# KiCad board keyboard_mk1.kicad_pcb (continued)
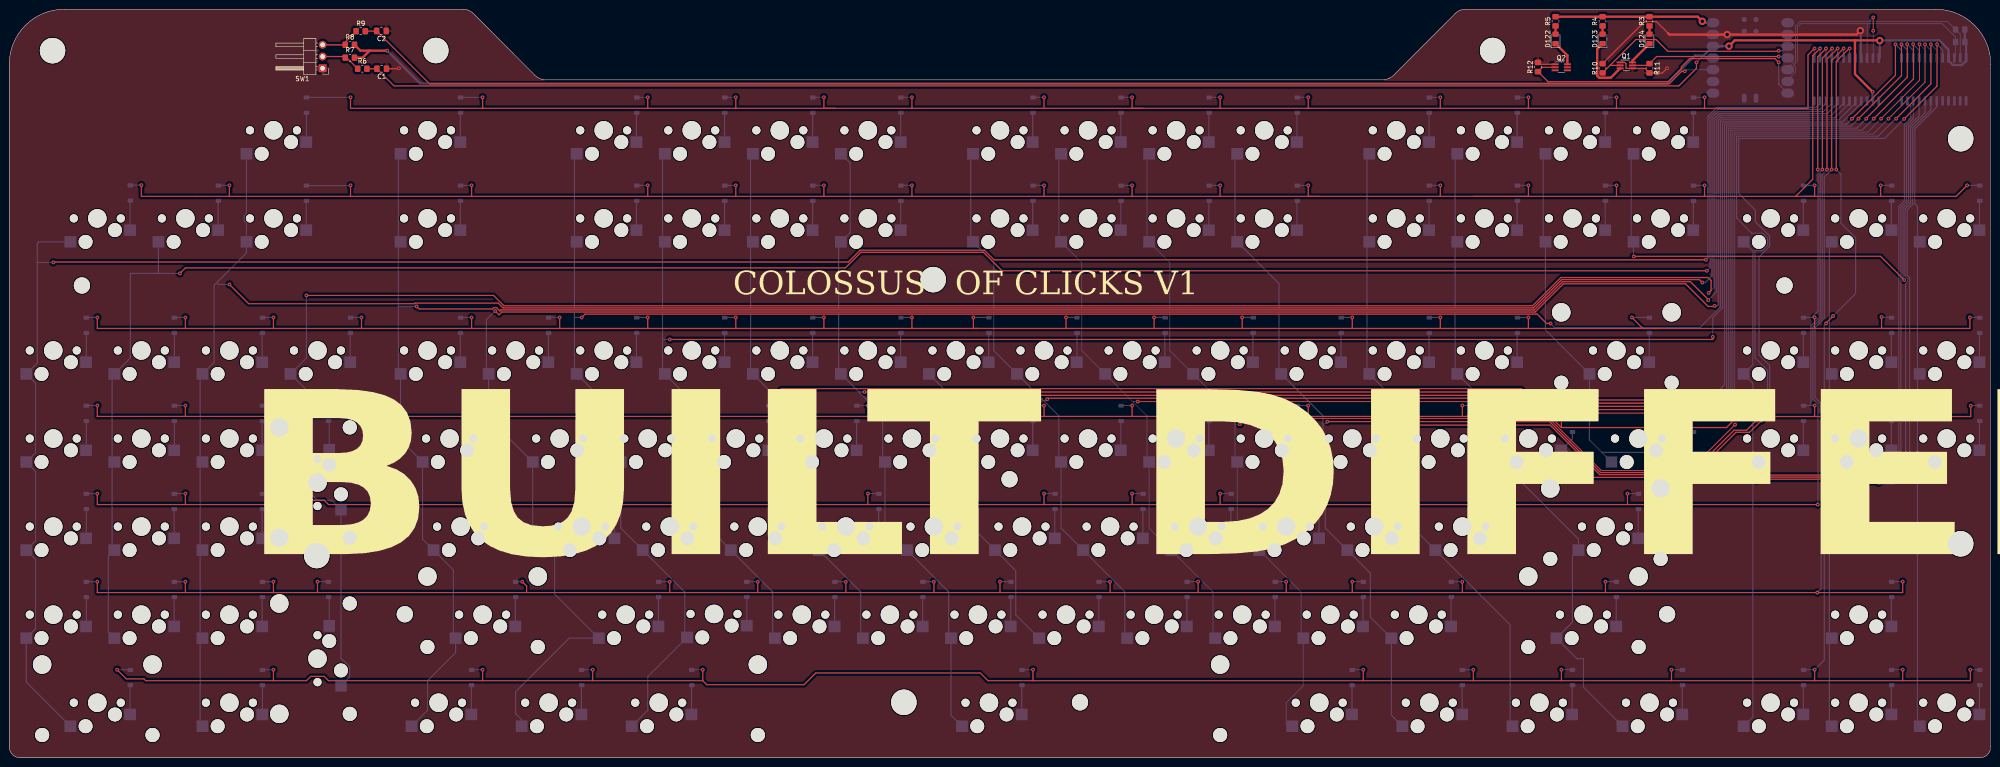
[diagram p0: board, top side]
## Nets
+5V: R3.2 R4.2 R5.2 U1.14
GND: C1.1 C2.1 Q1.1 Q1.4 Q2.1 R10.2 R11.2 R12.2 SW1.C U1.13 U2.2 U2.3 U2.12 U3.3 U3.12 U3.21
VCC: R1.2 R2.2 R7.2 R8.2 U1.12 U2.21 U2.24 U3.2 U3.24
COL<: 125K104.2 K13.2 K34.2 K58.2 K79.2 K100.2 U2.20
COL>: 125K105.2 225K101.2 275K121.2 K14.2 K35.2 K59.2 K80.2 U2.11
COLA: 2K106.2 K1.2 K22.2 K43.2 K64.2 K85.2 U3.11
COLB: K2.2 K23.2 K44.2 K65.2 K86.2 U3.10
COLC: K3.2 K4.2 K24.2 K45.2 K66.2 K87.2 K108.2 U3.9
COLD: 2K46.2 2K88.2 K25.2 U3.8
COLE: 15K68.2 125K82.2 175K89.2 225K110.2 K47.2 K67.2 K107.2 U3.7
COLF: 125K83.2 K48.2 K69.2 K90.2 K111.2 U3.6
COLG: 125K84.2 K5.2 K26.2 K49.2 K70.2 K91.2 K112.2 U3.5
COLH: K6.2 K27.2 K50.2 K71.2 K92.2 K113.2 U3.4
COLJ: K7.2 K28.2 K51.2 K72.2 K93.2 K114.2 U2.13
COLK: 625K109.2 K8.2 K29.2 K52.2 K73.2 K94.2 K115.2 U2.14
COLL: K53.2 K74.2 K95.2 K116.2 U2.15
COLM: K9.2 K30.2 K54.2 K75.2 K96.2 K117.2 U2.16
COLN: K10.2 K31.2 K55.2 K76.2 K97.2 K118.2 U2.17
COLP: 125K102.2 K11.2 K32.2 K56.2 K77.2 K98.2 K119.2 U2.18
COLQ: 125K103.2 K12.2 K33.2 K57.2 K78.2 K99.2 K120.2 U2.19
COLR: 2K60.2 15K81.2 K15.2 K36.2 U2.10
COLS: K16.2 K37.2 U2.9
COLT: K17.2 K20.2 K38.2 K61.2 U2.8
COLX: K18.2 K21.2 K39.2 K41.2 K62.2 U2.7
COLY: K19.2 K40.2 K42.2 K63.2 U2.6
ENC_A: C2.2 R9.2 U1.10
ENC_B: C1.2 R6.2 U1.11
I2C_N: R2.1 U1.6 U2.22 U3.22
I2C_P: R1.1 U1.5 U2.23 U3.23
LED1: Q1.2 R10.1 U1.3
LED2: Q1.5 R11.1 U1.4
LED3: Q2.2 R12.1 U1.7
ROW0: D3.1 D22.1 D29.1 D42.1 D43.1 D54.1 D55.1 D66.1 D77.1 D78.1 D91.1 D92.1 D104.1 D105.1 U3.13
ROW1: D1.1 D2.1 D4.1 D23.1 D30.1 D41.1 D44.1 D53.1 D56.1 D67.1 D76.1 D79.1 D90.1 D93.1 D103.1 D106.1 D112.1 D113.1 D121.1 U3.14
ROW2: D5.1 D13.1 D14.1 D21.1 D24.1 D31.1 D40.1 D45.1 D52.1 D57.1 D65.1 D68.1 D75.1 D80.1 D89.1 D94.1 D102.1 D107.1 D111.1 D114.1 D120.1 U3.15
ROW3: D6.1 D12.1 D15.1 D20.1 D25.1 D32.1 D39.1 D46.1 D51.1 D58.1 D64.1 D69.1 D74.1 D81.1 D88.1 D95.1 D101.1 D108.1 D110.1 D115.1 D119.1 U3.16
ROW4: D7.1 D11.1 D16.1 D26.1 D33.1 D38.1 D47.1 D50.1 D59.1 D63.1 D70.1 D73.1 D82.1 D87.1 D96.1 D99.1 U3.17
ROW5: D8.1 D10.1 D17.1 D19.1 D27.1 D34.1 D37.1 D48.1 D49.1 D60.1 D62.1 D71.1 D72.1 D83.1 D86.1 D98.1 D116.1 U3.18
ROW6: D9.1 D18.1 D28.1 D35.1 D36.1 D61.1 D84.1 D85.1 D97.1 D100.1 D109.1 D117.1 D118.1 U3.19
Net-(D1-A): D1.2 K1.1
Net-(D2-A): D2.2 K2.1
Net-(D3-A): D3.2 K4.1
Net-(D4-A): D4.2 K3.1
Net-(D5-A): D5.2 K22.1
Net-(D6-A): D6.2 K43.1
Net-(D7-A): D7.2 K64.1
Net-(D8-A): D8.2 K85.1
Net-(D9-A): 2K106.1 D9.2
Net-(D10-A): D10.2 K86.1
Net-(D11-A): D11.2 K65.1
Net-(D12-A): D12.2 K44.1
Net-(D13-A): D13.2 K23.1
Net-(D14-A): D14.2 K24.1
Net-(D15-A): D15.2 K45.1
Net-(D16-A): D16.2 K66.1
Net-(D17-A): D17.2 K87.1
Net-(D18-A): D18.2 K108.1
Net-(D19-A): 2K88.1 D19.2
Net-(D20-A): 2K46.1 D20.2
Net-(D21-A): D21.2 K25.1
Net-(D22-A): D22.2 K67.1
Net-(D23-A): D23.2 K107.1
Net-(D24-A): D24.2 K47.1
Net-(D25-A): 15K68.1 D25.2
Net-(D26-A): 175K89.1 D26.2
Net-(D27-A): 225K110.1 D27.2
Net-(D28-A): 125K82.1 D28.2
Net-(D29-A): D29.2 K5.1
Net-(D30-A): D30.2 K26.1
Net-(D31-A): D31.2 K48.1
Net-(D32-A): D32.2 K69.1
Net-(D33-A): D33.2 K90.1
Net-(D34-A): D34.2 K111.1
Net-(D35-A): 125K83.1 D35.2
Net-(D36-A): 125K84.1 D36.2
Net-(D37-A): D37.2 K112.1
Net-(D38-A): D38.2 K91.1
Net-(D39-A): D39.2 K70.1
Net-(D40-A): D40.2 K49.1
Net-(D41-A): D41.2 K27.1
Net-(D42-A): D42.2 K6.1
Net-(D43-A): D43.2 K7.1
Net-(D44-A): D44.2 K28.1
Net-(D45-A): D45.2 K50.1
Net-(D46-A): D46.2 K71.1
Net-(D47-A): D47.2 K92.1
Net-(D48-A): D48.2 K113.1
Net-(D49-A): D49.2 K114.1
Net-(D50-A): D50.2 K93.1
Net-(D51-A): D51.2 K72.1
Net-(D52-A): D52.2 K51.1
Net-(D53-A): D53.2 K29.1
Net-(D54-A): D54.2 K8.1
Net-(D55-A): D55.2 K9.1
Net-(D56-A): D56.2 K30.1
Net-(D57-A): D57.2 K52.1
Net-(D58-A): D58.2 K73.1
Net-(D59-A): D59.2 K94.1
Net-(D60-A): D60.2 K115.1
Net-(D61-A): 625K109.1 D61.2
Net-(D62-A): D62.2 K116.1
Net-(D63-A): D63.2 K95.1
Net-(D64-A): D64.2 K74.1
Net-(D65-A): D65.2 K53.1
Net-(D66-A): D66.2 K10.1
Net-(D67-A): D67.2 K31.1
Net-(D68-A): D68.2 K54.1
Net-(D69-A): D69.2 K75.1
Net-(D70-A): D70.2 K96.1
Net-(D71-A): D71.2 K117.1
Net-(D72-A): D72.2 K118.1
Net-(D73-A): D73.2 K97.1
Net-(D74-A): D74.2 K76.1
Net-(D75-A): D75.2 K55.1
Net-(D76-A): D76.2 K32.1
Net-(D77-A): D77.2 K11.1
Net-(D78-A): D78.2 K12.1
Net-(D79-A): D79.2 K33.1
Net-(D80-A): D80.2 K56.1
Net-(D81-A): D81.2 K77.1
Net-(D82-A): D82.2 K98.1
Net-(D83-A): D83.2 K119.1
Net-(D84-A): 125K102.1 D84.2
Net-(D85-A): 125K103.1 D85.2
Net-(D86-A): D86.2 K120.1
Net-(D87-A): D87.2 K99.1
Net-(D88-A): D88.2 K78.1
Net-(D89-A): D89.2 K57.1
Net-(D90-A): D90.2 K34.1
Net-(D91-A): D91.2 K13.1
Net-(D92-A): D92.2 K14.1
Net-(D93-A): D93.2 K35.1
Net-(D94-A): D94.2 K58.1
Net-(D95-A): D95.2 K79.1
Net-(D96-A): D96.2 K100.1
Net-(D97-A): 125K104.1 D97.2
Net-(D98-A): 275K121.1 D98.2
Net-(D99-A): 225K101.1 D99.2
Net-(D100-A): 125K105.1 D100.2
Net-(D101-A): D101.2 K80.1
Net-(D102-A): D102.2 K59.1
Net-(D103-A): D103.2 K36.1
Net-(D104-A): D104.2 K15.1
Net-(D105-A): D105.2 K16.1
Net-(D106-A): D106.2 K37.1
Net-(D107-A): 2K60.1 D107.2
Net-(D108-A): 15K81.1 D108.2
Net-(D109-A): D109.2 K61.1
Net-(D110-A): D110.2 K20.1
Net-(D111-A): D111.2 K38.1
Net-(D112-A): D112.2 K17.1
Net-(D113-A): D113.2 K18.1
Net-(D114-A): D114.2 K39.1
Net-(D115-A): D115.2 K21.1
Net-(D116-A): D116.2 K41.1
Net-(D117-A): D117.2 K62.1
Net-(D118-A): D118.2 K63.1
Net-(D119-A): D119.2 K42.1
Net-(D120-A): D120.2 K40.1
Net-(D121-A): D121.2 K19.1
Net-(D122-A): D122.2 R5.1
Net-(D122-K): D122.1 Q2.6
Net-(D123-A): D123.2 R4.1
Net-(D123-K): D123.1 Q1.3
Net-(D124-A): D124.2 R3.1
Net-(D124-K): D124.1 Q1.6
Net-(R6-Pad1): R6.1 R7.1 SW1.B
Net-(R8-Pad1): R8.1 R9.1 SW1.A

Pads without a net: Q2 3 4 5; U1 1 2 8 9 15 16 17 18 19 20; U2 1 4 5; U3 1 20

## Via types
v1: diameter 0.8, hole 0.4, Top to Bottom, 206 vias
v2: diameter 1.6, hole 0.8, Top to Bottom, 5 vias

## Routing (per net, layer and track width the routed paths; a pad name or vN(x,y) marks a point on that pad's centre or on a via; arc(x,y) is an arc through that point)
+5V: length 34.6
  Top w0.5: v2(366.24,159.32) 365.24,160.32 R3.2 R4.2 R5.2
  Bottom w0.5: v2(366.24,159.32) 366.54,159.01 U1.14
GND: length 90.7
  Top w0.25: Q1.1 349.46,150.43 349.73,150.16 349.73,149.16 349.76,149.13 Q1.4 353.84,149.13 R11.2 357.62,148.16 v1(358.62,149.16) ; C1.1 84.2,149.05 v1(84.3,149.16) ; 358.8,156.78 356.33,159.24 353.73,159.24 R10.2 ; Q2.1 331.08,150.02 R12.2
  Top w0.5: 358.8,156.78 359.12,156.45 v2(371.61,156.45) 399.59,156.45 v2(400.43,157.28)
  Bottom w0.5: v2(371.61,156.45) 371.59,156.47 U1.13 ; 390.45,142.69 U3.12 ; 401.88,142.65 U3.3 ; 400.61,150.75 U3.21 400.51,151.45 400.51,157.2 v2(400.43,157.28)
VCC: length 389.4
  Top w0.5: R8.2 75.95,152.97 77.95,152.97 ; v1(81.76,152.97) 77.95,152.97 ; 77.95,152.97 76.42,151.44 R7.2 ; v1(403.07,144.08) 399.26,147.89 399.26,155.2 ; v2(404.61,155.15) 404.56,155.2 399.26,155.2 ; 399.26,155.2 373.26,155.2 v2(372.01,153.95)
  Bottom w0.5: v1(403.07,144.08) 403.07,142.13 U3.2 ; v1(81.76,152.97) 88.87,145.85 358.56,145.85 364.67,151.97 366.58,151.97 U1.12 371.99,153.93 v2(372.01,153.95) ; R1.2 R2.2 423.29,154.56 U2.24 423.29,150.8 422.34,149.85 420.43,149.85 419.48,150.8 U2.21 419.48,153.18 417.46,155.2 404.66,155.2 v2(404.61,155.15) 404.61,151.54 U3.24
COL<: length 354.6
  Top w0.25: v1(379.01,72.95) 376.46,70.41 373.51,70.41 364.35,61.25 344.03,61.25 333.33,71.95 v1(300.31,71.95) ; v1(417.01,154.35) 417.01,145.31 v1(409.89,138.2)
  Bottom w0.25: v1(417.01,154.35) 418.21,153.15 U2.20 ; 299.2,69.75 299.2,68.5 K79.2 303.72,49.69 K100.2 324.66,28.75 324.66,7.31 125K104.2 ; 299.2,69.75 299.2,78.02 K58.2 293.71,83.51 293.71,111.11 K34.2 293.71,112.09 293.71,130.16 K13.2 ; 299.2,69.75 299.2,70.84 v1(300.31,71.95) ; v1(409.89,138.2) 405.69,134 374.11,134 374.11,122.05 377.71,118.45 377.71,115.95 380.78,112.87 380.78,110.64 378.51,108.36 378.51,87.15 380.78,84.87 380.78,74.73 v1(379.01,72.95)
COL>: length 308.6
  Top w0.25: v1(327.11,60.65) 365.01,60.65 365.51,61.15 v1(407.31,61.15)
  Bottom w0.25: K14.2 312.76,130.16 312.76,112.09 K35.2 312.76,111.11 312.76,83.51 K59.2 322.28,73.99 322.28,64.46 K80.2 326.05,60.7 ; v1(407.31,61.15) 408.74,62.58 408.74,119.28 409.95,120.49 409.95,136.99 411.32,138.37 411.32,140.94 410.59,141.67 U2.11 ; 125K105.2 340.52,15.27 340.52,21.43 339.12,21.43 275K121.2 338.14,29.34 338.14,43.62 225K101.2 339.44,47.31 326.05,60.7 ; 326.05,60.7 326.1,60.65 v1(327.11,60.65)
COLA: length 541.7
  Top w0.25: v1(367.01,107.75) 366.98,107.72 213,107.72 210.94,109.79 184.03,109.79 181.49,107.25 9.61,107.25 v1(9.52,107.16)
  Bottom w0.25: 6.06,107.16 6.06,111.32 6.34,111.6 K1.2 ; 6.06,107.16 6.06,85.41 K22.2 5.69,81.01 5.69,65.99 K43.2 5.69,61.96 5.69,46.94 K64.2 5.69,42.91 5.69,27.89 K85.2 3.68,16.35 2K106.2 ; 6.06,107.16 v1(9.52,107.16) ; U3.11 391.72,141.62 390.79,140.7 369.36,140.7 367.44,138.78 367.44,108.18 v1(367.01,107.75)
COLB: length 502.3
  Top w0.25: v1(36.91,104.78) 38.11,105.98 180.86,105.98 184.22,109.34 210.75,109.34 214.74,105.35 v1(367.21,105.35)
  Bottom w0.25: K86.2 21.43,27.18 21.43,43.62 K65.2 22.24,45.41 22.24,63.49 K44.2 22.24,64.46 22.24,82.54 K23.2 26.21,86.5 26.21,104.78 ; U3.10 392.99,141.62 391.61,140.25 369.54,140.25 367.89,138.59 367.89,106.03 v1(367.21,105.35) ; 26.21,104.78 v1(36.91,104.78) ; 26.21,104.78 32.15,104.78 ; 32.15,104.78 34.53,104.78 ; 32.15,104.78 32.26,104.89 K2.2
COLC: length 520.9
  Top w0.25: v1(47.62,102.39) 51.79,98.23 87.68,98.23 87.81,98.36 105.78,98.36 106.81,97.33 329.68,97.33 335.79,103.44 365.6,103.44 v1(366.24,102.8)
  Bottom w0.25: U3.9 394.26,141.62 392.43,139.8 369.73,139.8 368.34,138.41 368.34,104.27 366.87,102.8 v1(366.24,102.8) ; v1(47.62,102.39) 45.24,102.39 44.86,102.77 ; K108.2 41.29,7.31 41.29,25.39 K87.2 41.29,26.36 41.29,44.44 K66.2 41.29,45.41 41.29,63.49 K45.2 41.29,64.46 41.29,82.54 K24.2 44.31,85.55 44.31,102.22 44.86,102.77 ; K4.2 51.31,117.69 50.82,117.2 50.82,116.16 51.31,115.68 K3.2 51.31,109.22 44.86,102.77
COLD: length 470.9
  Top w0.25: v1(64.29,100.01) 104.76,100.01 107,97.77 329.5,97.77 335.61,103.89 367.5,103.89 368.13,103.25 368.13,101.07 v1(367.61,100.55)
  Bottom w0.25: v1(64.29,100.01) 64.29,86.49 K25.2 64.31,79.55 64.31,58.07 66.67,55.7 69.74,55.7 2K46.2 71.75,21.54 73.63,19.67 73.63,17.46 2K88.2 ; v1(367.61,100.55) 368.79,101.73 368.79,138.22 369.92,139.35 393.25,139.35 395.53,141.62 U3.8
COLE: length 491.1
  Top w0.25: v1(88.11,97.63) 88.65,97.09 104.52,97.09 104.81,97.38 105.41,97.38 106.13,96.65 106.36,96.88 329.87,96.88 335.98,102.99 363.66,102.99 367.51,99.14 v1(367.51,98.99)
  Bottom w0.25: U3.7 396.8,141.62 394.07,138.9 370.1,138.9 369.24,138.04 369.24,100.72 v1(367.51,98.99) ; 84.16,97.63 84.16,111.11 K107.2 84.16,112.09 84.16,130.16 K67.2 ; 84.16,97.63 v1(88.11,97.63) ; 84.16,97.63 84.16,83.51 K47.2 84.65,68.74 15K68.2 89.41,47.31 175K89.2 96.06,40.65 96.06,26.36 225K110.2 96.55,22.73 90.5,16.68 90.5,10.3 125K82.2
COLF: length 452.5
  Top w0.25: v1(105.11,96.65) 105.94,95.82 106.55,96.42 330.06,96.42 336.17,102.54 362.6,102.54 367.51,97.62 368.78,97.62 v1(368.91,97.75)
  Bottom w0.25: v1(105.11,96.65) 103.21,94.75 103.21,83.51 K48.2 103.7,73.5 K69.2 113.22,49.69 K90.2 117.98,35.4 K111.2 121.13,25.88 109.54,14.29 109.54,9.53 110.84,8.22 125K83.2 ; U3.6 398.07,141.62 394.89,138.45 370.29,138.45 369.69,137.85 369.69,98.03 369.41,97.75 v1(368.91,97.75)
COLG: length 462.2
  Top w0.25: v1(123.82,95.25) 124.55,95.97 330.51,95.97 332.53,93.95 v1(333.41,93.95)
  Bottom w0.25: 122.26,95.25 122.26,111.11 K26.2 122.26,112.09 122.26,130.16 K5.2 ; 122.26,95.25 122.26,83.51 K49.2 127.23,78.54 127.23,69.02 K70.2 132.27,49.69 K91.2 146.13,35.83 146.13,26.52 K112.2 138.11,17.53 138.11,10.29 125K84.2 ; 122.26,95.25 v1(123.82,95.25) ; U3.5 399.34,141.58 395.76,138 370.47,138 370.14,137.66 370.14,97.48 365.71,93.05 334.31,93.05 v1(333.41,93.95)
COLH: length 422.7
  Top w0.25: v1(142.88,90.49) 368.51,90.49 v1(368.51,91.05)
  Bottom w0.25: K113.2 165.12,26.36 165.12,35.89 K92.2 151.32,49.69 K71.2 150.83,64.46 150.83,73.99 K50.2 141.31,83.51 141.31,90.49 ; 141.31,90.49 141.31,111.11 K27.2 141.31,112.09 141.31,130.16 K6.2 ; 141.31,90.49 v1(142.88,90.49) ; U3.4 400.61,141.62 396.53,137.55 370.66,137.55 370.59,137.48 370.59,97.29 368.51,95.21 v1(368.51,91.05)
COLJ: length 432.2
  Top w0.25: v1(408.01,154.35) 408.01,147.65 v1(398.61,138.25) ; v1(166.01,78.85) 167.01,79.85 327.11,79.85 329.56,77.4 367.76,77.4 v1(368.11,77.75)
  Bottom w0.25: 165.06,78.81 165.11,78.85 v1(166.01,78.85) ; 165.06,78.81 K51.2 160.36,83.51 160.36,111.11 K28.2 160.36,112.09 160.36,130.16 K7.2 ; 165.06,78.81 169.88,73.99 169.88,64.46 K72.2 170.37,49.69 K93.2 184.17,35.89 184.17,26.36 K114.2 ; v1(398.61,138.25) 397.46,137.1 371.04,137.1 371.04,80.68 v1(368.11,77.75) ; U2.13 409.32,153.03 v1(408.01,154.35)
COLK: length 436.5
  Top w0.25: v1(369.11,76.75) 369.06,76.7 329.62,76.7 327.19,79.13 v1(185.01,79.13) ; v1(400.01,138.25) 409.32,147.56 v1(409.32,154.35)
  Bottom w0.25: 183.89,79.03 183.98,79.13 v1(185.01,79.13) ; 183.89,79.03 188.93,73.99 188.93,64.46 K73.2 189.42,49.69 K94.2 203.22,35.89 203.22,26.36 K115.2 203.71,9.21 625K109.2 ; 183.89,79.03 K52.2 179.41,83.51 179.41,111.11 K29.2 181.91,113.61 181.91,128.64 K8.2 ; v1(409.32,154.35) 410.59,153.07 U2.14 ; v1(400.01,138.25) 398.41,136.65 371.49,136.65 371.49,79.13 v1(369.11,76.75)
COLL: length 350
  Top w0.25: v1(401.71,138.25) 401.71,138.35 410.59,147.23 410.59,154.3 v1(410.53,154.35) ; v1(370.91,76.05) 370.88,76.02 329.66,76.02 327.28,78.4 v1(204.79,78.4)
  Bottom w0.25: v1(204.79,78.4) 203.57,78.4 203.43,78.54 ; v1(370.91,76.05) 371.94,77.08 371.94,136.2 399.66,136.2 v1(401.71,138.25) ; K116.2 217.72,30.92 217.72,40.44 K95.2 208.47,49.69 K74.2 203.43,69.02 203.43,78.54 ; K53.2 203.43,78.54 ; v1(410.53,154.35) 411.86,153.02 U2.15
COLM: length 384.1
  Top w0.25: v1(403.31,138.25) 411.91,146.85 411.91,154.3 v1(411.86,154.35) ; v1(372.01,75.35) 371.98,75.33 329.72,75.33 327.27,77.77 224.73,77.77 v1(224.51,77.55)
  Bottom w0.25: K117.2 241.32,26.36 241.32,35.89 K96.2 227.52,49.69 K75.2 227.03,64.46 227.03,73.99 223.89,77.13 ; U2.16 413.13,153.07 v1(411.86,154.35) ; K9.2 207.98,130.16 207.98,112.09 K30.2 212.96,107.12 212.96,88.07 K54.2 223.89,77.13 ; 223.89,77.13 224.31,77.55 v1(224.51,77.55) ; v1(372.01,75.35) 372.41,75.75 372.41,135.75 400.81,135.75 v1(403.31,138.25)
COLN: length 366.8
  Top w0.2: v1(372.81,74.55) 329.9,74.55 327.4,77.05 v1(244.11,77.05) ; v1(413.21,154.35) 413.21,146.55 v1(404.91,138.25)
  Bottom w0.2: v1(404.91,138.25) 401.98,135.32 372.83,135.32 372.83,74.58 v1(372.81,74.55) ; v1(413.21,154.35) 414.4,153.16 U2.17 ; v1(244.11,77.05) 243.21,77.05 243.11,76.96 ; 243.11,76.96 K55.2 231.98,88.09 231.98,107.14 K31.2 227.06,112.06 227.06,130.19 K10.2 ; 243.11,76.96 246.11,73.96 246.11,64.44 K76.2 246.57,49.69 K97.2 260.39,35.86 260.39,26.34 K118.2
COLP: length 378.7
  Top w0.2: v1(414.4,154.34) 414.4,146.14 v1(406.51,138.25) ; v1(266.21,72.15) 267.47,73.41 333.11,73.41 344.39,62.13 363.38,62.13 v1(373.31,72.05)
  Bottom w0.2: v1(266.21,72.15) 266.11,72.05 265.16,72.05 ; 265.16,72.05 265.16,73.96 K56.2 251.03,88.09 251.03,107.14 K32.2 246.11,112.06 246.11,130.19 K11.2 ; 265.16,72.05 265.16,64.44 K77.2 265.62,49.69 K98.2 279.44,35.86 279.44,26.34 K119.2 279.91,15.59 276.23,11.91 276.23,7.14 277.21,7.14 125K102.2 ; v1(406.51,138.25) 403.18,134.93 373.23,134.93 373.23,75.11 373.51,74.84 373.51,72.25 v1(373.31,72.05) ; v1(414.4,154.34) 415.67,153.06 U2.18
COLQ: length 370.7
  Top w0.25: v1(415.67,154.35) 415.67,145.78 408.15,138.26 v1(408.15,138.25) ; v1(377.89,72.95) 375.8,70.86 373.1,70.86 363.95,61.7 344.22,61.7 333.2,72.71 v1(285.11,72.71)
  Bottom w0.25: v1(408.15,138.25) 408.04,138.25 404.24,134.45 373.66,134.45 373.66,116.75 376.93,113.48 379.24,113.48 380.33,112.38 380.33,110.82 379.24,109.73 377.62,109.73 377.62,86.52 380.33,83.8 380.33,75.39 v1(377.89,72.95) ; K12.2 265.13,130.16 265.13,112.09 K33.2 274.66,102.56 274.66,83.51 K57.2 284.18,73.99 284.18,72.25 ; 125K103.2 298.96,9.21 K120.2 294.43,30.4 294.43,39.92 K99.2 284.67,49.69 K78.2 284.18,64.46 284.18,72.25 ; v1(285.11,72.71) 284.64,72.25 284.18,72.25 ; v1(415.67,154.35) 416.94,153.07 U2.19
COLR: length 222.5
  Top w0.25: 406.71,60.55 406.01,60.55 405.86,60.7 365.69,60.7 364.92,59.93 v1(361.41,59.93)
  Bottom w0.25: v1(361.41,59.93) 360.17,59.93 354.05,66.05 344.51,66.05 ; 344.51,66.05 341.82,68.74 2K60.2 332.3,92.55 K36.2 331.81,112.09 331.81,130.16 K15.2 ; 344.51,66.05 15K81.2 ; U2.10 411.86,138.27 410.4,136.81 410.4,120.3 409.18,119.09 409.18,62 407.61,60.42 406.83,60.42 406.71,60.55
  vias: v1(406.55,60.43)
COLS: length 123.6
  Top w0.25: v1(351.41,108.45) 351.43,108.47 404.78,108.47 v1(409.91,103.35)
  Bottom w0.25: v1(409.91,103.35) 409.63,103.62 409.63,118.91 410.85,120.12 410.85,136.62 413.13,138.9 U2.9 ; K16.2 350.86,130.16 350.86,112.09 K37.2 351.35,108.51 v1(351.41,108.45)
COLT: length 226.2
  Top w0.25: v1(378.01,59.98) 378.28,60.25 404.97,60.25 v1(405.24,59.98)
  Bottom w0.25: v1(405.24,59.98) 405.52,59.7 407.52,59.7 410.21,62.39 410.21,102.62 410.63,103.05 410.63,103.65 410.08,104.2 410.08,118.72 411.3,119.93 411.3,136.43 414.4,139.54 U2.8 ; 377.17,60.05 377.93,60.05 v1(378.01,59.98) ; 377.17,60.05 377.17,61.96 K20.2 377.17,65.99 377.17,81.01 K38.2 377.17,85.04 377.17,109.59 K17.2 ; 377.17,60.05 377.17,8.84 K61.2
COLX: length 207.3
  Top w0.25: v1(404.36,59.5) 404.34,59.53 v1(394.61,59.53)
  Bottom w0.25: K18.2 393.72,111.11 393.72,83.51 K39.2 393.72,82.54 393.72,64.46 K21.2 393.72,63.49 393.72,59.05 ; U2.7 415.67,140.17 411.75,136.25 411.75,119.74 410.53,118.53 410.53,104.39 411.08,103.84 411.08,62.63 407.7,59.25 404.61,59.25 v1(404.36,59.5) ; 393.72,59.05 393.72,26.36 K41.2 393.72,25.39 393.72,7.31 K62.2 ; 393.72,59.05 394.13,59.05 v1(394.61,59.53)
COLY: length 138.9
  Bottom w0.25: U2.6 416.94,140.8 412.2,136.06 412.2,119.86 412.77,119.29 412.77,112.09 K19.2 412.77,111.11 412.77,83.51 K40.2 412.77,82.54 412.77,64.46 K42.2 412.77,63.49 412.77,7.31 K63.2
ENC_A: length 297.5
  Top w0.25: R9.2 79.42,157.18 C2.2 90.91,145.8 359.07,145.8 361.79,148.52 v1(362.43,148.52)
  Bottom w0.25: U1.10 362.76,148.85 v1(362.43,148.52)
ENC_B: length 296
  Top w0.25: R6.2 C1.2 83.24,145.35 361.16,145.35 364.97,149.16 v1(364.97,150.43)
  Bottom w0.25: v1(364.97,150.43) 365.93,151.39 U1.11
I2C_N: length 60.8
  Bottom w0.2: 401.91,158.82 387.6,158.82 386.83,158.06 386.83,150.67 385.97,149.8 386.38,149.39 386.38,148.31 385.16,147.09 385.16,146.76 U1.6 ; 401.91,158.82 401.88,158.79 U3.22 ; 401.91,158.82 418.11,158.82 421.01,155.93 R2.1 421.01,151.66 U2.22
I2C_P: length 62.9
  Top w0.2: v1(403.21,157.25) v1(403.21,160.15)
  Bottom w0.2: U3.23 403.21,151.41 v1(403.21,157.25) ; U2.23 422.02,156.53 R1.1 419.28,159.28 401.91,159.28 ; 401.91,159.28 402.33,159.28 v1(403.21,160.15) ; 401.91,159.28 387.41,159.28 386.38,158.24 386.38,150.85 384.71,149.18 U1.5
LED1: length 46.8
  Top w0.25: R10.1 346.27,149.78 ; 346.27,149.78 351.87,155.38 356.2,155.38 358.76,152.82 382.61,152.82 v1(382.75,152.97) ; 346.27,149.78 Q1.2
  Bottom w0.25: v1(382.75,152.97) 383.74,152.97 U1.3
LED2: length 34.5
  Top w0.25: Q1.5 354.43,149.78 R11.1 356.35,151.7 v1(382.75,151.7)
  Bottom w0.25: v1(382.75,151.7) 384.4,151.7 U1.4
LED3: length 67.2
  Top w0.25: v1(382.75,150.43) 381.93,151.25 363.49,151.25 361.7,149.46 361.7,149.07 358.88,146.25 332.86,146.25 R12.1 331.62,149.37 Q2.2
  Bottom w0.25: v1(382.75,150.43) 382.75,145.73 U1.7
ROW0: length 411.9
  Top w0.25: 366.71,140.49 389.1,140.49 389.1,152.04 v1(390.51,153.45) ; 366.71,140.49 347.66,140.49 ; 366.71,140.49 v1(366.71,142.88) ; v1(157.16,142.88) 157.16,140.49 ; 157.16,140.49 178.59,140.49 ; 157.16,140.49 138.11,140.49 ; v1(242.89,142.88) 242.89,140.49 245.27,140.49 ; 195.26,140.49 223.84,140.49 ; 195.26,140.49 178.59,140.49 ; 195.26,140.49 v1(195.26,142.88) ; 223.84,140.49 261.94,140.49 ; 223.84,140.49 v1(223.84,142.88) ; 178.59,140.49 176.21,140.49 v1(176.21,142.88) ; 347.66,140.49 v1(347.66,142.88) ; 347.66,140.49 328.61,140.49 ; v1(138.11,142.88) 138.11,140.49 ; 138.11,140.49 102.39,140.49 ; v1(309.56,142.88) 309.56,140.49 ; 309.56,140.49 280.99,140.49 ; 309.56,140.49 328.61,140.49 ; v1(261.94,142.88) 261.94,140.49 ; 261.94,140.49 280.99,140.49 ; v1(280.99,142.88) 280.99,140.49 ; 328.61,140.49 v1(328.61,142.88) ; v1(73.82,142.88) 73.82,140.49 102.39,140.49 ; 102.39,140.49 v1(102.39,142.88)
  Bottom w0.25: v1(390.51,153.45) 390.45,153.39 U3.13 ; 240.51,142.88 v1(242.89,142.88) ; 173.83,142.88 v1(176.21,142.88) ; 307.18,142.88 v1(309.56,142.88) ; D3.1 64.34,142.88 v1(73.82,142.88) ; 135.73,142.88 v1(138.11,142.88) ; 192.88,142.88 v1(195.26,142.88) ; 221.46,142.88 v1(223.84,142.88) ; 259.56,142.88 v1(261.94,142.88) ; 154.78,142.88 v1(157.16,142.88) ; 97.63,142.88 v1(102.39,142.88) ; 364.33,142.88 v1(366.71,142.88) ; 278.61,142.88 v1(280.99,142.88) ; 345.28,142.88 v1(347.66,142.88) ; 326.23,142.88 v1(328.61,142.88)
ROW1: length 544.6
  Top w0.25: 388.14,121.44 390.52,121.44 v1(390.52,123.82) ; v1(100.01,123.82) 100.01,121.44 ; 100.01,121.44 73.82,121.44 ; 100.01,121.44 138.11,121.44 ; v1(347.66,123.82) 347.66,121.44 ; 347.66,121.44 366.71,121.44 ; 347.66,121.44 309.56,121.44 ; v1(309.56,123.82) 309.56,121.44 ; 309.56,121.44 283.37,121.44 ; 386.41,121.44 404.81,121.44 ; 386.41,121.44 366.71,121.44 ; 386.41,121.44 390.11,125.15 390.11,151.86 v1(391.71,153.45) ; 404.81,121.44 v1(404.81,123.82) ; 404.81,121.44 421.12,121.44 v1(423.51,123.82) ; v1(223.84,123.82) 223.84,121.44 ; 223.84,121.44 195.26,121.44 ; 223.84,121.44 242.89,121.44 ; v1(328.61,123.82) 328.61,121.44 316.71,121.44 ; 242.89,121.44 261.94,121.44 ; 242.89,121.44 v1(242.89,123.82) ; 261.94,121.44 v1(261.94,123.82) ; 261.94,121.44 283.37,121.44 ; v1(176.21,123.82) 176.21,121.44 ; 176.21,121.44 195.26,121.44 ; 176.21,121.44 157.16,121.44 ; 366.71,121.44 v1(366.71,123.82) ; 47.62,121.44 28.57,121.44 v1(28.57,123.87) ; 47.62,121.44 73.82,121.44 ; 47.62,121.44 v1(47.62,123.82) ; v1(195.26,123.82) 195.26,121.44 ; v1(138.11,123.82) 138.11,121.44 ; 138.11,121.44 157.16,121.44 ; v1(157.16,123.82) 157.16,121.44 ; 283.37,121.44 280.99,121.44 v1(280.99,123.82) ; 73.82,121.44 v1(73.82,123.82)
  Bottom w0.25: 259.56,123.82 v1(261.94,123.82) ; 278.61,123.82 v1(280.99,123.82) ; U3.14 391.72,153.44 v1(391.71,153.45) ; D4.1 73.77,123.78 v1(73.82,123.82) ; 173.83,123.82 v1(176.21,123.82) ; 364.33,123.82 v1(366.71,123.82) ; 240.51,123.82 v1(242.89,123.82) ; 326.23,123.82 v1(328.61,123.82) ; 135.73,123.82 v1(138.11,123.82) ; 26.19,123.87 v1(28.57,123.87) ; 388.14,123.82 v1(390.52,123.82) ; 426.24,123.82 v1(423.51,123.82) ; 407.19,123.82 v1(404.81,123.82) ; 45.24,123.82 v1(47.62,123.82) ; 307.18,123.82 v1(309.56,123.82) ; 221.46,123.82 v1(223.84,123.82) ; 345.28,123.82 v1(347.66,123.82) ; 97.63,123.82 v1(100.01,123.82) ; 192.88,123.82 v1(195.26,123.82) ; 154.78,123.82 v1(157.16,123.82)
ROW2: length 579.2
  Top w0.25: 357.19,92.87 390.52,92.87 ; 357.19,92.87 353.38,92.87 v1(351,95.25) ; 357.19,92.87 328.61,92.87 ; 390.52,92.87 409.57,92.87 ; 390.52,92.87 v1(390.52,95.25) ; 209.55,92.87 208.55,92.87 v1(208.55,95.25) ; 209.55,92.87 228.6,92.87 ; 209.55,92.87 195.26,92.87 ; v1(266.7,95.25) 266.7,92.87 ; 266.7,92.87 247.65,92.87 ; 266.7,92.87 290.51,92.87 ; 247.65,92.87 v1(247.65,95.25) ; 247.65,92.87 228.6,92.87 ; v1(328.61,95.25) 328.61,92.87 ; 328.61,92.87 309.56,92.87 ; v1(157.16,95.25) 157.16,92.87 ; 157.16,92.87 176.21,92.87 ; 157.16,92.87 138.11,92.87 ; v1(195.26,95.25) 195.26,92.87 ; 195.26,92.87 176.21,92.87 ; v1(176.21,95.25) 176.21,92.87 ; v1(76.2,95.25) 76.2,92.87 ; 76.2,92.87 100.01,92.87 ; 76.2,92.87 57.15,92.87 ; 119.06,92.87 138.11,92.87 ; 119.06,92.87 v1(119.06,95.25) ; 119.06,92.87 100.01,92.87 ; 138.11,92.87 v1(138.11,95.25) ; 38.1,92.87 57.15,92.87 ; 38.1,92.87 v1(38.1,95.25) ; 38.1,92.87 19.05,92.87 v1(19.05,95.25) ; 57.15,92.87 v1(57.15,95.25) ; v1(391.21,127.25) 391.21,151.65 v1(393.01,153.45) ; 409.57,92.87 405.01,92.87 v1(405.01,95.35) ; 409.57,92.87 424.11,92.87 v1(424.11,95.25) ; v1(309.56,95.25) 309.56,92.87 ; 309.56,92.87 290.51,92.87 ; v1(100.01,95.25) 100.01,92.87 ; 290.51,92.87 v1(290.51,95.25) ; v1(228.6,95.25) 228.6,92.87
  Bottom w0.25: 97.63,95.25 v1(100.01,95.25) ; 35.72,95.25 v1(38.1,95.25) ; 269.08,95.25 v1(266.7,95.25) ; 173.83,95.25 v1(176.21,95.25) ; 388.14,95.25 389.91,95.25 ; 389.91,95.25 391.25,96.59 391.25,127.21 v1(391.21,127.25) ; 389.91,95.25 v1(390.52,95.25) ; U3.15 392.99,153.43 v1(393.01,153.45) ; 73.82,95.25 v1(76.2,95.25) ; v1(208.55,95.25) 208.55,95.25 211.93,95.25 ; 407.19,95.25 405.11,95.25 v1(405.01,95.35) ; 250.03,95.25 v1(247.65,95.25) ; 192.88,95.25 v1(195.26,95.25) ; 326.23,95.25 v1(328.61,95.25) ; 154.78,95.25 v1(157.16,95.25) ; 16.67,95.25 v1(19.05,95.25) ; 426.24,95.25 v1(424.11,95.25) ; 54.77,95.25 v1(57.15,95.25) ; 354.81,95.25 v1(351,95.25) ; 288.13,95.25 v1(290.51,95.25) ; 230.98,95.25 v1(228.6,95.25) ; 135.73,95.25 v1(138.11,95.25) ; 307.18,95.25 v1(309.56,95.25) ; 116.68,95.25 v1(119.06,95.25)
ROW3: length 592.9
  Top w0.25: v1(335.76,73.82) 335.76,71.44 ; 335.76,71.44 333.36,73.84 314.32,73.84 ; 335.76,71.44 361.95,71.44 ; 361.95,71.44 371.48,71.44 373.86,73.82 390.52,73.82 ; 361.95,71.44 v1(361.95,73.82) ; 38.1,73.84 19.07,73.84 19.05,73.82 v1(19.05,76.2) ; 38.1,73.84 v1(38.1,76.2) ; 38.1,73.84 57.15,73.84 ; 280.99,73.84 280.99,76.16 v1(280.97,76.18) ; 280.99,73.84 295.27,73.84 ; 280.99,73.84 261.94,73.84 ; v1(147.62,76.18) 147.64,76.16 147.64,73.84 ; 223.84,73.84 223.84,76.16 v1(223.82,76.18) ; 223.84,73.84 242.89,73.84 ; 223.84,73.84 200.02,73.84 ; 295.27,73.84 v1(295.27,76.2) ; 295.27,73.84 314.32,73.84 ; 390.52,73.82 409.57,73.82 ; 390.52,73.82 v1(390.52,76.2) ; 166.69,73.84 185.74,73.84 ; 166.69,73.84 147.64,73.84 ; 166.69,73.84 166.69,76.16 v1(166.67,76.18) ; 185.74,73.84 185.74,76.16 v1(185.72,76.18) ; 185.74,73.84 200.02,73.84 ; 147.64,73.84 123.82,73.84 ; 242.89,73.84 242.89,76.2 v1(242.89,76.2) ; 242.89,73.84 261.94,73.84 ; 71.44,73.84 100.01,73.84 ; 71.44,73.84 v1(71.44,76.2) ; 71.44,73.84 57.15,73.84 ; 100.01,73.84 v1(100.01,76.2) ; 100.01,73.84 123.82,73.84 ; v1(404.61,76.2) 404.61,73.82 409.57,73.82 ; 409.57,73.82 424.31,73.82 v1(424.31,76.15) ; v1(314.32,76.2) 314.32,73.84 ; v1(123.82,76.2) 123.82,73.84 ; 200.02,73.84 v1(200.02,76.2) ; 57.15,73.84 v1(57.15,76.2) ; v1(394.31,153.45) 392.21,151.35 v1(392.21,127.25) ; v1(261.94,76.2) 261.94,76.2 261.94,73.84
  Bottom w0.25: v1(185.72,76.18) 185.7,76.2 183.36,76.2 ; 202.41,76.2 v1(200.02,76.2) ; v1(394.31,153.45) 394.26,153.4 U3.16 ; 35.72,76.2 v1(38.1,76.2) ; 69.06,76.2 v1(71.44,76.2) ; 389.91,76.2 389.71,76.4 389.71,93.41 391.71,95.41 391.71,126.72 392.21,127.22 v1(392.21,127.25) ; 389.91,76.2 388.14,76.2 ; 389.91,76.2 v1(390.52,76.2) ; 54.77,76.2 v1(57.15,76.2) ; v1(166.67,76.18) 166.65,76.2 164.31,76.2 ; 102.39,76.2 v1(100.01,76.2) ; v1(147.62,76.18) 147.6,76.2 145.26,76.2 ; 426.24,76.2 424.36,76.2 v1(424.31,76.15) ; v1(261.94,76.2) 261.93,76.2 259.56,76.2 ; 278.61,76.2 280.95,76.2 v1(280.97,76.18) ; v1(242.89,76.2) 242.88,76.2 240.51,76.2 ; 221.46,76.2 223.8,76.2 v1(223.82,76.18) ; 126.21,76.2 v1(123.82,76.2) ; 297.66,76.2 v1(295.27,76.2) ; 16.67,76.2 v1(19.05,76.2) ; 338.14,73.82 v1(335.76,73.82) ; 316.71,76.2 v1(314.32,76.2) ; 407.19,76.2 v1(404.61,76.2) ; 364.33,73.82 v1(361.95,73.82)
ROW4: length 552.6
  Top w0.25: 319.09,54.77 350.04,54.77 ; 319.09,54.77 300.04,54.77 ; 319.09,54.77 v1(319.09,57.15) ; 350.04,54.77 v1(350.04,57.15) ; 350.04,54.77 v1(391.21,54.77) ; v1(395.51,153.45) 395.49,153.45 393.21,151.17 393.21,127.25 v1(393.21,127.25) ; 128.59,54.77 147.64,54.77 ; 128.59,54.77 v1(128.59,57.15) ; 128.59,54.77 107.16,54.77 ; 147.64,54.77 166.69,54.77 ; 147.64,54.77 v1(147.64,57.15) ; v1(38.1,57.15) 38.1,54.77 ; 38.1,54.77 19.05,54.77 v1(19.05,57.15) ; 38.1,54.77 57.15,54.77 ; 261.94,54.77 280.99,54.77 ; 261.94,54.77 242.89,54.77 ; 261.94,54.77 v1(261.94,57.15) ; 280.99,54.77 v1(280.99,57.15) ; 280.99,54.77 300.04,54.77 ; 204.79,54.77 223.84,54.77 ; 204.79,54.77 185.74,54.77 ; 204.79,54.77 v1(204.79,57.15) ; 223.84,54.77 v1(223.84,57.15) ; 223.84,54.77 242.89,54.77 ; v1(300.04,57.15) 300.04,54.77 ; v1(185.74,57.15) 185.74,54.77 ; 185.74,54.77 166.69,54.77 ; v1(107.16,57.15) 107.16,54.77 ; 107.16,54.77 69.06,54.77 68.12,55.7 65.23,55.7 64.29,54.77 57.15,54.77 ; 242.89,54.77 v1(242.89,57.15) ; 57.15,54.77 v1(57.15,57.15) ; 166.69,54.77 v1(166.69,57.15)
  Bottom w0.25: 188.12,57.15 v1(185.74,57.15) ; 150.02,57.15 v1(147.64,57.15) ; v1(391.21,54.77) 391.25,54.81 391.25,76.5 390.16,77.59 390.16,93.22 392.16,95.22 392.16,126.18 393.21,127.22 v1(393.21,127.25) ; 245.27,57.15 v1(242.89,57.15) ; 169.07,57.15 v1(166.69,57.15) ; 54.77,57.15 v1(57.15,57.15) ; 302.42,57.15 v1(300.04,57.15) ; 352.42,57.15 v1(350.04,57.15) ; U3.17 395.51,151.37 v1(395.51,153.45) ; 35.72,57.15 v1(38.1,57.15) ; 104.77,57.15 v1(107.16,57.15) ; 226.22,57.15 v1(223.84,57.15) ; 264.32,57.15 v1(261.94,57.15) ; 130.97,57.15 v1(128.59,57.15) ; 321.47,57.15 v1(319.09,57.15) ; 16.67,57.15 v1(19.05,57.15) ; 283.37,57.15 v1(280.99,57.15) ; 207.17,57.15 v1(204.79,57.15)
ROW5: length 593.8
  Top w0.25: v1(394.2,127.25) 394.21,127.25 394.21,150.85 v1(396.81,153.45) ; 314.32,35.74 314.32,38.06 v1(314.3,38.08) ; 314.32,35.74 345.28,35.74 ; 314.32,35.74 290.51,35.74 ; v1(66.67,38.1) 66.67,35.74 ; 66.67,35.74 57.15,35.74 ; 66.67,35.74 111.92,35.74 ; v1(257.17,38.1) 257.17,38.1 257.17,35.74 ; 180.98,35.74 200.02,35.74 ; 180.98,35.74 161.92,35.74 ; 180.98,35.74 180.98,38.06 v1(180.95,38.08) ; 200.02,35.74 214.31,35.74 ; 200.02,35.74 200.02,38.06 v1(200,38.08) ; 38.1,35.74 19.07,35.74 19.05,35.72 v1(19.05,38.1) ; 38.1,35.74 v1(38.1,38.1) ; 38.1,35.74 57.15,35.74 ; v1(290.51,38.1) 290.51,35.74 ; 290.51,35.74 276.23,35.74 ; v1(276.22,38.1) 276.23,38.1 276.23,35.74 ; 276.23,35.74 257.17,35.74 ; 57.15,35.74 v1(57.15,38.1) ; 345.28,35.74 v1(391.11,35.74) 409.57,35.74 v1(409.57,38.1) ; 345.28,35.74 v1(345.28,38.1) ; v1(142.85,38.08) 142.88,38.06 142.88,35.74 ; 161.92,35.74 161.92,38.06 v1(161.9,38.08) ; 161.92,35.74 142.88,35.74 ; 214.31,35.74 238.12,35.74 ; 214.31,35.74 v1(214.31,38.1) ; 238.12,35.74 238.12,38.06 v1(238.1,38.08) ; 238.12,35.74 257.17,35.74 ; 111.92,35.74 142.88,35.74 ; 111.92,35.74 111.92,37.15 v1(110.97,38.1)
  Bottom w0.25: 109.54,38.1 v1(110.97,38.1) ; v1(257.17,38.1) 257.17,38.1 254.79,38.1 ; 407.19,38.1 v1(409.57,38.1) ; 292.89,38.1 v1(290.51,38.1) ; 235.74,38.1 238.08,38.1 v1(238.1,38.08) ; 35.72,38.1 v1(38.1,38.1) ; 16.67,38.1 v1(19.05,38.1) ; 273.84,38.1 276.22,38.1 v1(276.22,38.1) ; v1(391.11,35.74) 391.93,36.56 391.93,76.62 390.61,77.95 390.61,93.03 392.61,95.03 392.61,125.65 393.48,126.53 393.51,126.53 393.93,126.95 393.93,126.98 v1(394.2,127.25) ; 311.94,38.1 314.28,38.1 v1(314.3,38.08) ; U3.18 396.81,151.36 v1(396.81,153.45) ; v1(161.9,38.08) 161.88,38.1 159.54,38.1 ; 54.77,38.1 v1(57.15,38.1) ; 178.59,38.1 180.93,38.1 v1(180.95,38.08) ; v1(142.85,38.08) 142.83,38.1 140.49,38.1 ; 69.06,38.1 v1(66.67,38.1) ; 347.66,38.1 v1(345.28,38.1) ; 216.69,38.1 v1(214.31,38.1) ; v1(200,38.08) 199.98,38.1 197.64,38.1
